# KiCad board sample013-sdi-mipi-video-converter.kicad_pcb (continued)
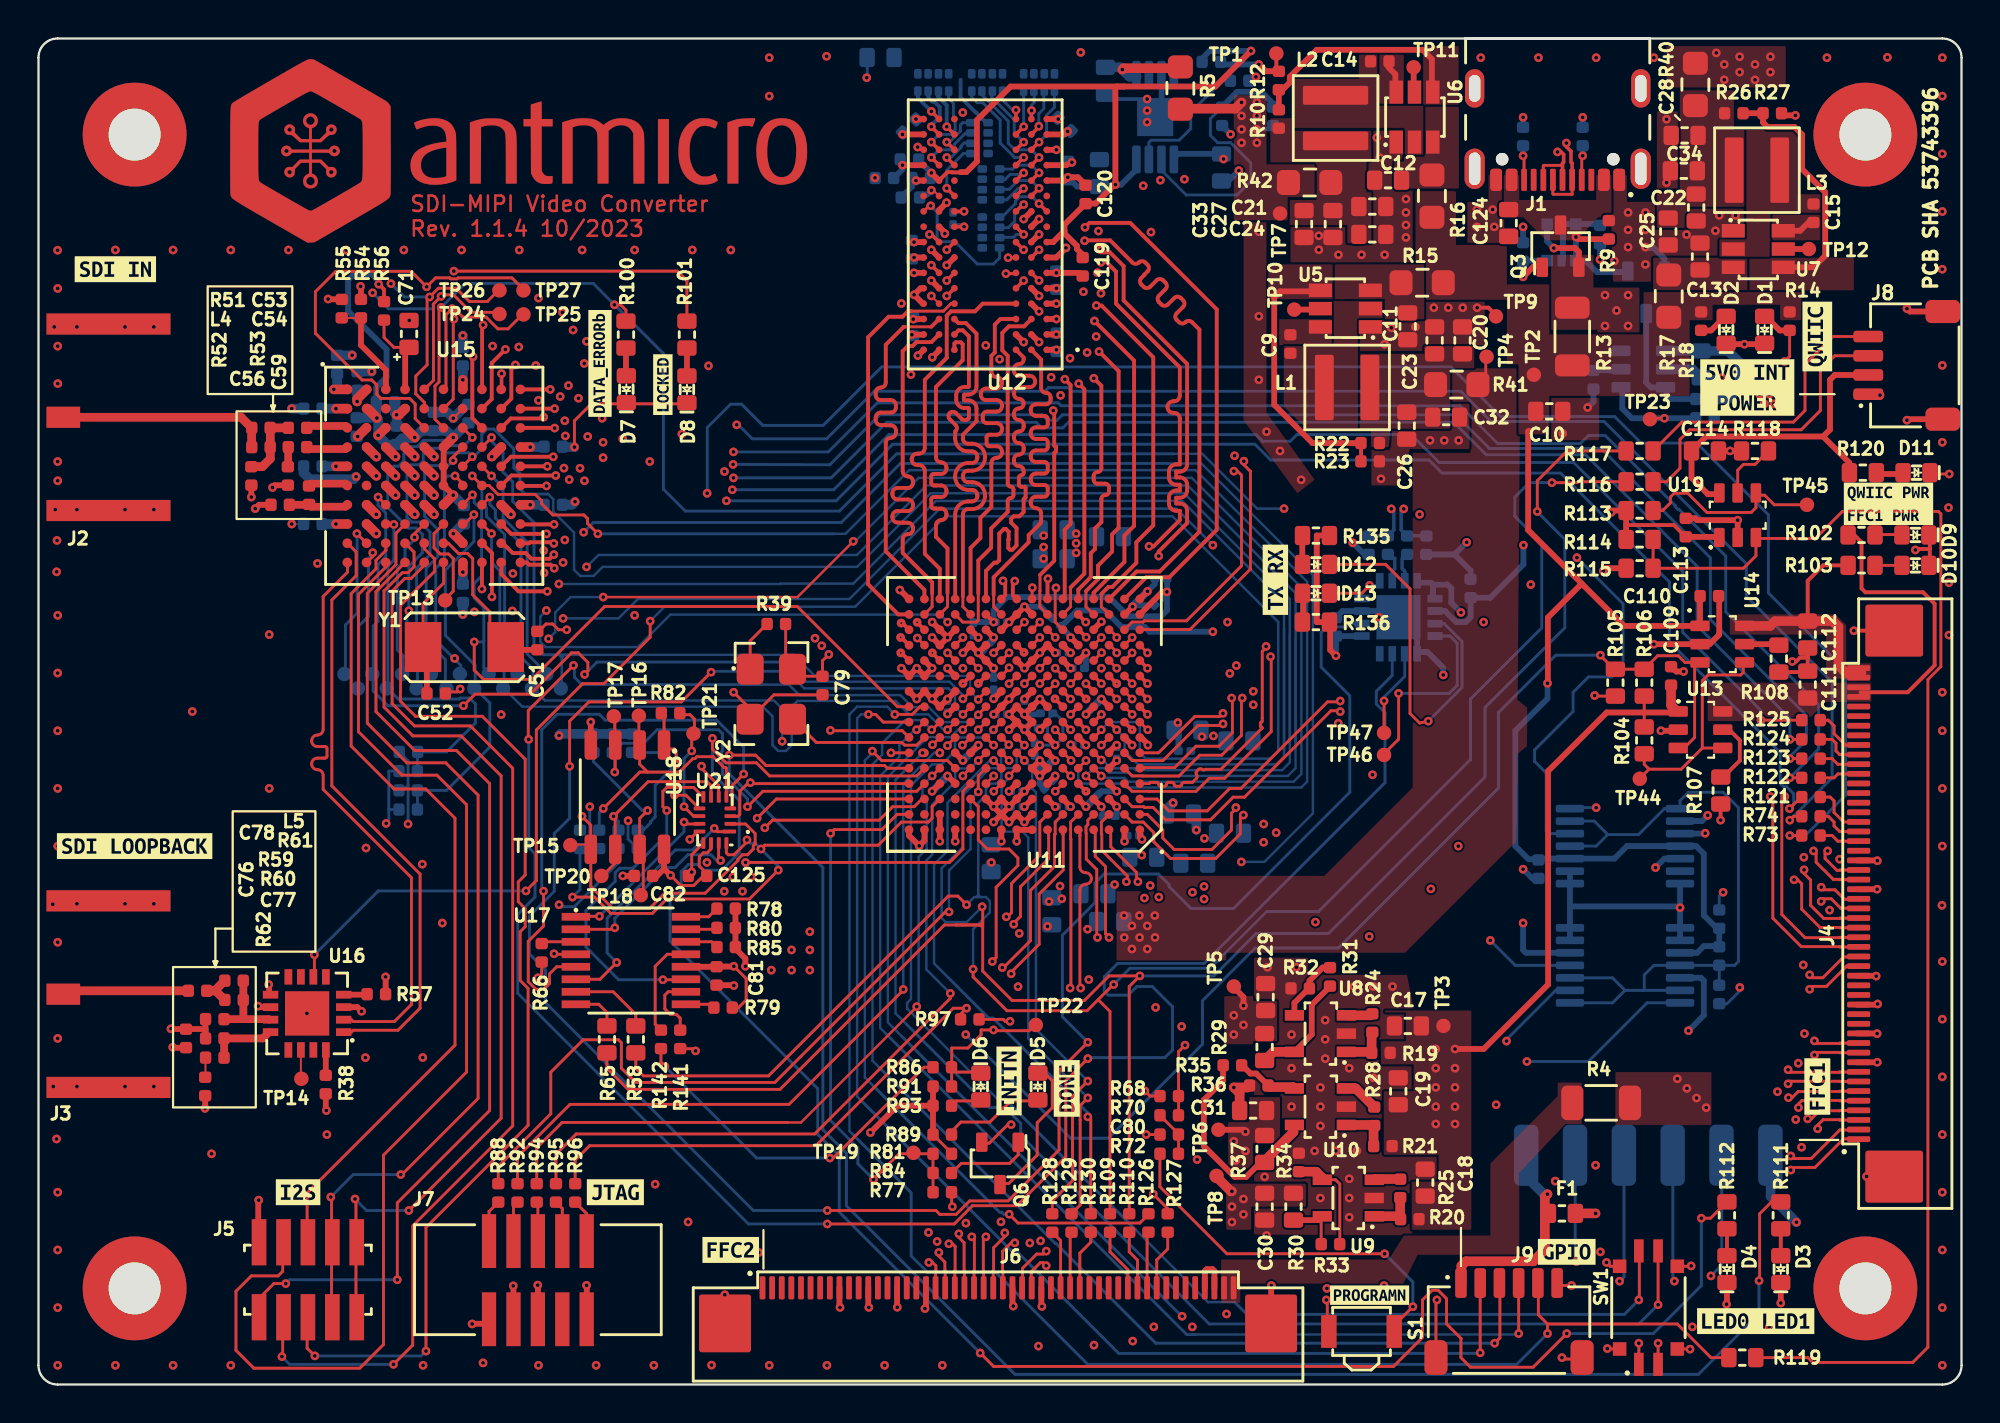
[diagram p0: board, top side]
## Routing (per net, layer and track width the routed paths; a pad name or vN(x,y) marks a point on that pad's centre or on a via; arc(x,y) is an arc through that point)
1V0_Clean: length 20.1
  Top w0.3: v1(62.66,19.7) 62.66,20.15 62.11,20.7
  In2.Cu w0.15: v1(62.66,19.7) 73.5,19.7 75.34,17.86 v1(76.34,17.86)
  Bottom w0.15: v1(76.34,17.86) 76.34,17.94 78.9,20.5 U2.9
  vias: v1(55.96,26) v1(57.51,25.3) v1(57.81,25.95) v1(58.26,25.35) v1(60.01,25.6) v1(60.61,25.9) v1(60.61,25.25) v1(62.16,19.2) v1(62.16,18.2) v1(62.66,18.7)
1V0_Power: length 37
  Top w0.15: 75.26,53.45 75.26,52.45
  Top w0.3: v1(52.07,34.05) U11.H7 ; v1(49.67,34.85) U11.J10 v1(50.47,35.65) U11.K9 ; v1(52.87,31.65) U11.D7 ; U11.D9 v1(50.47,30.85)
  In2.Cu w0.15: v1(77.4,16.8) 77.4,18.4 74.2,21.6 68.6,21.6 66.95,23.25 v1(58.06,23.25)
  Bottom w0.15: v1(77.4,16.8) 80.6,16.8 83.65,19.85 85.36,19.85
  Bottom w0.5: 49.5,26.65 49.5,27.1
  vias: v1(49.55,27.15) v1(56.45,24.39) v1(56.46,23.25) v1(56.86,23.85) v1(56.86,22.65) v1(57.25,24.39) v1(57.26,23.25) v1(57.66,23.85) v1(57.66,22.65) v1(58.05,24.39)
+1V2: length 80.3
  Top w0.1: 54.07,38.47 53.69,38.85 v1(53.67,38.85)
  Top w0.2: 17.97,56.32 17.97,56.94 v1(17.69,57.22)
  Top w0.3: v1(21.57,46.25) 21.07,46.75 21.07,48.75 ; U11.N5 v1(53.67,38.85)
  Top w0.5: 61.21,10.85 62.01,10.05 v1(62.06,10.05) ; v1(17.66,49.36) 18.05,49.75 U15.C3 ; 21.07,48.75 v1(21.57,49.25) ; 17.07,50.75 17.11,50.75 v1(17.6,50.26) ; 19.07,49.75 v1(19.57,49.25) ; 21.07,45.75 v1(21.57,46.25)
  In2.Cu w0.15: v1(81,30) 81,13.6 74.8,7.4 65.8,7.4 64.35,8.85 v1(62.66,8.85)
  In6.Cu w0.3: v1(21.57,46.25) 22.11,46.79 22.11,48.71 v1(21.57,49.25)
  Bottom w0.1: 19.62,49.31 v1(19.57,49.25)
  Bottom w0.15: v1(81,30) 79.69,30
  Bottom w0.3: 17.56,51.09 17.56,51.86 18.1,52.39 18.1,53.83 16.1,55.83 16.1,57.43 16.42,57.75 17.32,57.75 17.69,57.38 v1(17.69,57.22) ; v1(53.67,38.85) 53.67,38.9 53.17,39.4 54.01,40.25 55.47,40.25 56.32,39.4 57.52,39.4 57.77,39.15 v1(61.07,39.15)
  Bottom w0.5: 16.55,50.28 17.58,50.28 v1(17.6,50.26) ; v1(17.6,50.26) 17.66,50.2 v1(17.66,49.36) 18.14,48.88 18.62,48.88 18.62,48.91 18.92,49.21 19.53,49.21 v1(19.57,49.25) 19.91,49.59 21.22,49.59 v1(21.57,49.25) 22.33,50.01 ; v1(17.6,50.26) 17.56,50.3 17.56,51.09 ; 22.09,45.73 v1(21.57,46.25)
  vias: v1(27.13,51.38) v1(27.6,47.06) v1(28.08,51.29) v1(28.16,47.65) v1(28.56,49.3) v1(29.31,50.25) v1(29.36,49) v1(29.36,48.2) v1(34.76,27.15) v1(35.66,25.65) v1(36.11,26.4) v1(36.61,25.65) v1(37.06,26.4) v1(38.11,21.55) v1(39.16,22.6) v1(39.16,21.55) v1(40.11,23.55) v1(40.11,22.6) v1(40.11,21.55) v1(62.06,9.25) v1(62.06,8.45) v1(62.66,9.65)
+1V5: length 77.3
  Top w0.1: v1(53.67,38.05) 53.62,38.05 53.27,38.4
  Top w0.3: U12.D9 45.99,56.21 v1(45.53,56.67) 45.87,57.01 U12.E9 ; v1(53.67,38.05) 53.66,38.05 53.27,38.44 ; v1(51.23,60.61) 51.63,61.01 ; v1(47.22,61.46) 46.83,61.07 46.83,61.01 ; U12.D2 v1(52.03,55.81) ; U12.A1 v1(52.93,53.81) ; U12.N1 53.44,63.41 v1(53.74,63.56) ; U12.N9 v1(44.93,63.41) ; v1(45.53,59.41) U12.H9 ; v1(47.23,58.21) U12.G7 ; v1(46.48,53.42) 46.83,53.77 U12.A8 ; U11.P12 v1(48.87,38.85) ; v1(45.49,55.4) 45.5,55.41 U12.C9 ; U12.B2 v1(52.03,54.21) ; U12.R9 v1(44.93,65.01) ; 54.3,57.65 54.14,57.81 v1(52.93,57.81) U12.F1 ; v1(53.52,65.17) 53.36,65.01 U12.R1 ; U11.P11 v1(49.67,38.85) ; 56.49,40.05 v1(56.89,40.45) ; U12.C1 v1(52.93,55.41) ; U12.H2 v1(52.03,59.81)
  Top w0.5: 59.4,66.35 62.23,66.35 v1(62.56,66.68)
  In2.Cu w0.15: v1(63.36,65.28) 64.12,65.28 67.06,62.34 67.06,47.31 71.37,43 v1(80,43)
  Bottom w0.15: v1(80,43) 82.4,40.6 82.4,37.4 81.8,36.8 80.6,36.8 79.8,36 79.8,35 77.8,33 77.8,32.4 78.4,31.8 78.4,28.8 78.55,28.65 U3.5
  Bottom w0.2: v1(63.36,65.28) 64.01,65.28
  Bottom w0.3: 44.92,63.42 v1(44.93,63.41) ; v1(44.93,63.41) 44.93,63.2 44.47,62.74 ; v1(44.93,63.41) 44.93,63.59 ; 58.04,40.52 56.97,40.52 v1(56.89,40.45) ; 49.55,38.63 49.55,38.73 v1(49.67,38.85)
  vias: v1(62.56,65.98) v1(62.56,65.28) v1(62.56,64.58) v1(63.36,66.68) v1(63.36,65.98) v1(63.36,64.58)
+1V8: length 25.2
  Top w0.3: 61.31,13.25 62.66,13.25 v1(62.76,13.15)
  In2.Cu w0.15: v1(75.5,23.1) 75.5,23.36 67.55,31.3 64.62,31.3 63.17,32.75 v1(63.17,35.35)
  Bottom w0.15: v1(75.5,23.1) 76.79,21.8 U2.11
  vias: v1(61.95,36.98) v1(62.16,12.65) v1(62.29,37.39) v1(62.26,11.65) v1(62.76,12.15) v1(63.17,36.05) v1(63.71,29.15) v1(63.71,28.2) v1(64.36,28.7)
+3V3: length 101.1
  Top w0.15: 26.17,21.97 26.17,21.35 v1(25.97,21.15) ; R105.1 83.5,35 83.45,34.95 83.5,34.9 R104.1 ; v1(57.53,15.27) 57.8,15 58.31,15 ; v1(36.16,21.75) 36.8,21.11 36.8,20 36.4,19.6 36.08,19.6 ; v1(41.1,37.97) 40.77,37.64 40.77,36.84 39.55,36.84 ; v1(32.87,26.48) 33.4,25.95 34.07,25.95 34.72,26.6 34.36,26.96 34.36,27.34 34.37,27.35 34.37,27.45 34.57,27.65 34.77,27.65 34.97,27.85 34.97,28.15 ; 38.86,39.55 38.86,37.53 ; 47.48,12.03 46.52,13
  Top w0.2: 85.66,44.08 85.04,44.7 82.56,44.7
  Top w0.3: 85.66,44.08 87.33,44.08 ; 15.77,56.44 15.08,56.44 v1(15.06,56.45) ; v1(6.89,18.5) 6.91,18.48 8.69,18.48 8.69,18 8.69,19 ; R114.1 R113.1 81.79,45.45 v1(81.78,45.35) ; 12,20.28 12,20.78 v1(11.97,20.8) ; v1(53.67,33.27) 53.67,33.25 U11.F5 ; v1(18.05,21.2) 18.05,21.2 18.05,20.3 ; v1(73.66,17.45) 75.15,17.45 78.5,20.8 78.5,31.9 81.55,34.95 85.17,34.95 ; 46.52,15.5 46.52,14.5 ; 46.52,14.5 44.66,14.5 v1(43.26,13.1) ; 46.52,14.5 46.52,13 ; 14.94,15.12 14.94,14.28 v1(14.97,14.25) ; 31.94,26.45 32.16,26.45 32.53,26.82 ; v1(22.55,3.15) 22.56,3.16 23.43,3.16 ; v1(54.47,34.85) U11.J4 ; v1(36.16,21.75) 36.14,21.73 35.26,21.73 ; v1(47.27,34.87) U11.J13 ; 33.58,21.73 35.25,21.73 ; v1(48.07,32.45) U11.F13 ; 32.53,26.82 32.53,28.08 ; 32.53,26.82 v1(32.87,26.48) ; U11.D13 v1(47.27,31.65)
  Top w0.5: 16.07,50.75 v1(15.47,50.75) ; v1(80.97,8.9) 80.11,8.9 ; 25.07,45.75 v1(25.57,45.75) ; 84.9,36.37 84.9,35.33 85.22,35 ; 25.07,48.75 v1(25.57,48.75) ; 22.07,42.75 v1(22.07,42.25) ; 16.07,44.75 v1(15.47,44.75) ; 16.07,47.75 v1(15.47,47.75) ; 22.07,51.75 v1(22.07,52.25)
  In3.Cu w0.15: v1(54.47,34.85) 54.07,35.25 54.07,35.9 54.22,36.05 54.63,36.05 54.88,36.3 54.88,36.86 v1(55.27,37.25)
  Bottom w0.15: 62.88,67.57 v1(63.31,68) ; 18.75,32.9 19.22,32.43 19.22,31.15 ; 19.22,31.15 18.97,30.9 18.73,30.9 ; 19.22,31.15 v1(19.22,29.15)
  Bottom w0.3: v1(61.62,63.73) 61.62,63.73 61.62,63.89 C108.2 61.51,64 59.25,64 59.06,63.81 ; U2.5 86.45,21.15 86.6,21 86.6,19.2 v1(85.8,18.4)
  Bottom w0.5: 30.86,33.84 27.16,33.84 v1(27.07,33.75) ; 22.07,41.64 v1(22.07,42.25) ; 26.28,48.75 v1(25.57,48.75) ; 14.75,47.75 v1(15.47,47.75) ; 14.75,50.75 v1(15.47,50.75) ; 26.28,45.75 v1(25.57,45.75) ; 22.07,52.97 v1(22.07,52.25) ; 14.75,44.75 v1(15.47,44.75)
  vias: v1(40.38,38.81) v1(40.73,38.42) v1(48.07,37.25) v1(72.66,17.45) v1(72.66,16.45) v1(72.66,15.45) v1(72.66,14.45) v1(72.66,13.55) v1(73.66,16.45) v1(73.66,15.45) v1(73.66,14.45) v1(73.66,13.55) v1(87.25,69.25) v1(87.66,68.65) v1(87.66,67.85) v1(88.46,69.05) v1(88.46,68.25) v1(89.26,68.65) v1(89.26,67.85) v1(90.06,69.05) v1(90.06,68.25)
+5V: length 50.5
  Top w0.3: 80.25,41.65 82.45,39.45 86.35,39.45 ; 80.25,41.65 78.49,39.89 78.49,36.49 v1(78.47,36.47) ; 80.25,41.65 77.47,44.44 77.47,49.57 77.5,49.6 ; 86.4,41 86.4,39.5
  Bottom w0.3: 78.03,27.35 81.95,27.35 82.6,28 U3.11 86.2,28 86.6,27.6 86.6,24.4 87.28,23.72 ; 85.36,22.45 86.25,22.45 86.6,22.8 87.37,22.8 ; 78,27.32 77.48,27.32 76.8,28 76.8,34 78.47,35.67 v1(78.47,36.47) ; 87.4,22.77 87.4,23.72
/FPGA Power/VCC_ADPHY: length 2
  Top w0.3: v1(51.27,30.05) U11.C8 ; v1(56.07,32.45) U11.E3
  Bottom w0.5: v1(60.21,28.84) 60.21,29.51 60.07,29.65
  vias: v1(60.63,28.4)
/FPGA Power/VCC_AUX: length 8.1
  Top w0.1: 51.51,35.89 U11.K8
  Top w0.3: U11.M6 v1(53.67,37.25) ; 51.7,32.85 52.07,33.22 v1(52.07,33.25) ; U11.G7 v1(52.87,33.25) ; 51.51,35.89 v1(51.27,35.65) ; v1(49.67,35.66) 49.68,35.66 U11.K10
  Bottom w0.15: v1(52.87,33.25) 53.27,33.65 53.27,34.5 52.92,34.85 52.74,34.85 52.47,34.58 U11.G7 v1(52.87,33.25) ; v1(52.87,33.25) v1(52.07,33.25)
  Bottom w0.3: 49.67,36.13 v1(49.67,35.66)
  vias: v1(53.96,44.25) v1(53.96,43.75) v1(53.96,43.25)
/FPGA Power/VCC_AUXA: length 0.6
  Top w0.3: v1(52.87,32.45) U11.F7
  vias: v1(60.5,33.69) v1(61.1,33.73)
/FPGA Power/VCC_DPHY: length 1.7
  Top w0.3: U11.C7 v1(52.87,30.05) ; U11.C4 v1(55.27,30.05)
  Bottom w0.2: v1(55.27,30.05) 55.35,29.97 C101.2
  vias: v1(52.55,25.12) v1(53.12,25.92) v1(53.21,25.26)
/FPGA Power/VCC_PLLDPHY: length 1.2
  Top w0.3: v1(56.47,28.25) 56.47,28.25 U11.A2 ; v1(54.47,30.05) U11.C5
/Peripherals/3V3_MISC: length 11.7
  Top w0.5: 74,5.2 74,6.18 74.23,6.41 77.73,6.41 78.33,7.01 78.33,9.76 v1(78.47,9.9)
  Bottom w0.5: v1(78.47,9.9) 78.28,9.9 77.37,10.81 77.37,12.43
/Power Supply/5V_I: length 3.5
  Top w0.3: v1(78.8,59.1) 79.9,59.1 80.1,58.9 80.1,58.15
  Bottom w0.3: 78.45,60.35 78.45,59.45 v1(78.8,59.1)
  vias: v1(81.46,56.65) v1(81.46,55.05) v1(82.06,55.85) v1(82.66,56.65) v1(82.66,55.05)
GND: length 270
  Top w0.1: U11.A9 50.87,28.14 ; 52.51,38.45 52.87,38.09 v1(52.87,38.05) ; v1(44.87,37.25) 44.87,37.18 45.2,36.85 ; 47.67,36.03 47.29,35.65 v1(47.27,35.65) 47.27,35.63 46.89,35.25 ; 22.07,50.75 v1(21.57,50.25) ; v1(47.13,59.85) 46.83,60.15 ; 57.38,28.74 v1(57.38,28.35) ; U12.P9 45.86,64.21 v1(45.72,64.35) ; v1(46.87,28.25) U11.A14 U11.B14 ; U11.P13 v1(47.27,38.85) U11.N14 ; U12.D8 v1(46.43,56.61)
  Top w0.15: 33.72,51 28.75,51 27.87,50.12 v1(27.87,48.75) ; R106.2 80.95,35.8 v1(80.92,35.83) ; 34.57,28.15 33.97,27.55 v1(33.97,26.65) ; SW1.SH 85.87,1.85 v1(85.88,1.84) ; v1(21.93,36.17) 21.78,36.02 21.16,36.02 ; 72.67,1.35 72.67,4.35 v1(72.72,4.4) ; 67.02,2.5 67.02,4.35 v1(66.97,4.4) ; v1(85.94,6.17) 85.92,6.15 SW1.SH ; 35.37,30.55 35.37,31.15 34.47,32.05 34.47,32.15 34.48,32.15 v1(34.48,32.16) ; v1(26.81,22.4) 26.84,22.38 27.94,22.38 ; 49.05,12.55 49.44,12.55 50.4,13.51 50.57,13.51 v1(50.58,13.52) ; SW1.SH 81.74,6.15 v1(81.54,6.35) ; 37.01,34.63 38.25,35.87 40.77,35.87 ; 84.22,1.15 v1(84.22,2.15) ; v1(27.47,39.25) 27.04,39.25 26.74,39.55 26.39,39.55 26.02,39.18 ; 80.29,1.33 79.29,1.33 v1(79.22,1.4) ; 48.91,18.99 50.17,18.99 50.27,18.89 v1(50.52,18.89) ; 37.01,35.14 v1(36.15,36) ; 98.41,47.35 v1(99.36,47.35) ; v1(81.58,1.87) 81.6,1.85 SW1.SH ; SW1.1 v1(83.22,2.15) ; 58.31,13 v1(57.6,13) ; 79.04,5.15 v1(79.72,5.15)
  Top w0.2: 92,37.8 91.6,37.8 91.4,37.6 v1(91.2,37.6) ; 92,37.8 C112.1 ; 92,37.8 C111.1 ; v1(94.4,39.2) 94.41,39.21 96.42,39.21 ; v1(87.47,29.35) 87.47,30.18 R107.1 ; 98.35,43.45 98.35,44.2 ; 98.35,43.45 98.35,42.6 ; 98.35,43.45 97.65,43.45 v1(97.6,43.4) ; R108.1 91.95,37.05 ; 64.5,68.3 64.37,68.43 TP1.1 ; 75.8,55.6 75.4,56 v1(74.81,56)
  Top w0.3: 54.45,62.39 54.06,62.78 v1(53.53,62.78) 53.36,62.61 52.43,62.61 ; v1(57.67,41.25) U11.T1 ; 15.94,19.62 16.58,19.62 v1(16.8,19.41) ; v1(49.67,30.05) U11.B10 ; v1(49.67,30.05) U11.C10 v1(50.47,30.05) ; v1(49.67,30.05) U11.C11 ; U11.B10 v1(50.47,29.25) U11.B9 v1(51.27,29.25) U11.B8 ; U11.B10 v1(49.67,29.25) ; U11.B10 v1(50.47,30.05) ; v1(95.06,10.82) 95.07,10.81 96.67,10.81 ; 46.15,5.03 46.15,4 v1(46.1,3.95) ; v1(87.78,4.18) 87.8,4.2 87.8,5.25 ; v1(55.27,35.65) U11.J3 ; 88.36,44 v1(88.36,44.95) 86.25,44.95 86.15,45.05 85.66,45.05 ; v1(91.36,66) 90.75,66 90.65,66.11 ; R118.1 C114.1 ; U11.R8 v1(51.27,40.45) U11.R9 v1(50.47,39.65) U11.P10 ; v1(8.66,14.36) 8.67,14.37 8.67,15.02 ; v1(50.87,28.25) U11.A9 U11.A8 ; v1(45.42,54.6) 46.02,54.6 ; v1(95.61,18.25) 95.6,18.26 94.57,18.26 ; 94.57,16.76 95.62,16.76 v1(95.62,16.76) ; v1(35.69,4.67) 35.7,4.66 35.7,2.93 ; 94.57,25.76 95.6,25.76 v1(95.61,25.76) ; v1(54.47,38.05) 54.47,38.03 54.09,37.65 ; U12.E1 v1(52.93,57.01) ; v1(46.47,38.85) U11.N14 U11.P13 ; 46.03,62.61 v1(45.63,62.61) ; v1(46.47,30.85) U11.D14 ; 44.65,5.03 44.65,4.03 v1(44.66,4.02) ; v1(84,38.5) 86.9,38.5 87.4,39 87.4,40.97 ; 98.38,55.8 97.31,55.8 v1(97.16,55.95) ; v1(16.75,57.11) 16.77,57.09 16.77,56.44 ; U11.D3 v1(56.07,30.85) ; v1(47.13,59.85) 47.13,59.91 U12.J8 ; 41.65,5.03 41.65,4.04 v1(41.68,4.01) ; v1(48.87,38.05) U11.N11 ; v1(48.87,38.05) U11.N12 v1(48.07,38.05) ; v1(48.87,38.05) U11.M11 v1(49.67,37.25) ; v1(64.11,5.15) 64.1,5.14 64.1,3.18 ; v1(46.47,35.65) U11.K14 ; v1(46.47,35.65) U11.K15 v1(45.67,35.65) U11.K16 ; v1(46.47,35.65) U11.J14 U11.K13 ; 94.5,51.5 95.71,51.5 v1(95.76,51.45) ; v1(28.72,34.45) 28.72,33.01 ; U11.T16 44.8,41.32 v1(44.79,41.32) ; v1(47.27,38.85) U11.P14 v1(46.47,39.65) ; v1(6.98,17.54) 7,17.52 7.67,17.52 ; 12.97,46.77 12.28,46.77 v1(12.17,46.65) ; 52.47,38.44 52.86,38.05 v1(52.87,38.05) ; v1(36.76,21.75) 36.76,22.15 36.25,22.67 ; v1(97.16,50.15) 97.21,50.2 98.38,50.2 ; 64.5,68.3 63.81,68.3 v1(63.46,68.65) ; v1(57.69,33.25) 57.69,33.3 57.34,33.65 ; v1(50.47,30.05) U11.C9 v1(51.27,30.85) U11.D8 ; U11.M9 v1(51.27,37.25) U11.M8 v1(52.07,38.05) U11.N7 ; v1(25.96,5.17) 25.97,5.16 25.97,3.16 ; v1(46.43,57.41) U12.E8 ; R115.2 81.52,42.45 v1(81.37,42.3) ; 24.7,3.16 24.7,5.12 v1(24.69,5.13) ; 30.97,26.45 v1(30.39,26.45) ; 90.6,5.25 v1(90.6,4.24) ; v1(53.03,65.81) U12.T1 ; 43.15,5.03 43.15,4.04 v1(43.18,4.01) ; U11.H9 v1(50.47,34.85) U11.J9 v1(51.27,34.85) ; U11.H9 v1(51.27,34.05) ; U11.H9 v1(50.47,34.05) ; v1(95.56,21.24) 95.54,21.26 94.57,21.26 ; v1(51.27,34.85) U11.J8 v1(52.07,35.65) U11.J7 ; v1(51.27,34.85) U11.H8 v1(51.27,34.05) ; 94.57,19.76 95.6,19.76 v1(95.64,19.79) ; U11.C6 v1(53.67,30.05) ; v1(52.18,4.06) 52.15,4.09 52.15,5.03 ; U11.G5 v1(54.47,33.25) ; U11.G2 v1(56.87,33.25) ; U11.A15 46.07,28.28 v1(45.8,28.01) 45.27,28.54 U11.A16 ; 55.67,32.89 56.03,33.25 v1(56.07,33.25) ; v1(51.27,34.05) U11.G8 ; v1(53.43,59.11) 52.93,58.61 U12.G1 ; v1(11.42,19.68) 11.47,19.62 12,19.62 ; v1(57.38,28.35) 57.27,28.46 U11.A1 ; U11.B14 v1(46.87,28.25) ; v1(45.73,53.51) U12.A9 ; v1(36.16,20.75) 36.14,20.77 35.26,20.77 ; 36.25,24.75 36.25,22.75 ; U12.E2 v1(52.03,56.61) ; U11.M15 v1(46.47,37.25) U11.L15 v1(45.67,37.25) U11.L16 v1(44.87,37.25) ; 28.51,3.16 28.51,5.15 v1(28.5,5.16) ; v1(56.07,30.05) U11.C3 ; 12.08,45.75 11.47,45.75 v1(11.27,45.55) ; U12.B3 v1(51.23,54.21) ; v1(46.43,59.01) U12.G8 ; 87.76,54.1 89.76,54.1 ; U11.F12 v1(48.87,33.25) ; U11.A13 v1(47.67,28.25) ; 94.57,27.26 95.6,27.26 v1(95.62,27.24) ; v1(50.07,28.25) U11.A10 ; U11.L13 v1(47.27,37.25) ; 11.43,7.48 11.43,9.57 v1(11.45,9.59) ; 11.07,46.77 v1(11.07,46.15) ; v1(50.69,4.08) 50.65,4.12 50.65,5.03 ; v1(45.53,57.81) U12.F9 ; v1(84.37,34) 85.17,34 ; v1(45.53,58.61) U12.G9 ; U12.D1 v1(52.93,56.21) ; U12.P1 v1(52.93,64.21) ; v1(85.55,37.08) 85.16,37.08 84.91,37.34 ; U12.B1 v1(52.93,54.61) ; U12.J2 v1(52.03,60.61) ; 54.87,39.27 55.27,39.67 ; v1(45.63,65.81) U12.T9 ; U11.E7 v1(52.07,32.45) U11.E8 v1(52.07,31.65) U11.E7
  Top w0.5: 19.07,47.75 v1(19.57,47.25) ; 17.07,47.75 v1(17.57,47.25) ; 17.07,45.75 v1(17.57,45.25) ; 24.07,45.75 v1(24.57,45.25) ; 17.07,48.75 v1(17.57,48.25) ; 22.07,43.75 v1(21.57,44.25) ; 19.07,45.75 v1(19.57,45.25) ; 19.07,48.75 v1(19.57,48.25) ; 20.07,45.75 v1(20.57,45.25) ; 20.07,48.75 v1(20.57,48.25) ; 17.07,44.75 v1(17.57,44.25) ; v1(18.62,50.43) 18.75,50.43 19.07,50.75 ; 18.07,47.75 v1(18.57,47.25) ; 18.07,48.75 v1(18.57,48.25) ; 20.07,46.75 v1(20.57,46.25) ; 17.05,49.75 v1(16.6,49.3) ; 24.07,48.75 v1(23.57,48.25) ; 18.07,46.75 v1(18.57,46.25) ; C31.1 62.46,15.15 v1(62.16,15.45) 62.88,15.45 62.97,15.55 ; v1(20.57,47.25) 20.07,47.75 ; 19.07,46.75 v1(19.57,46.25)
  Bottom w0.1: 13.78,44.75 v1(13.17,44.75)
  Bottom w0.15: 18.22,29.9 18.22,29.4 v1(18.08,29.18) ; 18.22,29.9 18.73,29.9 ; 18.22,29.9 18.22,31.9 18.73,31.9 ; 87.4,24.69 87.4,25.4 v1(87.6,25.6) ; 87.4,19.8 87.8,19.8 88.6,20.6 ; v1(43.07,67.96) 43.1,67.99 43.1,69
  Bottom w0.2: v1(57.65,66.85) 55.73,66.85 C5.1
  Bottom w0.3: 59.06,34.01 59.28,33.79 59.28,32.95 ; 77.2,59.39 v1(77.2,60.2) ; 52.71,39.86 52.12,40.45 v1(51.27,40.45) ; C4.1 87.53,52.35 v1(87.54,52.36) ; v1(57.37,27.53) 56.86,27.53 ; 78,26.32 77.69,26.32 v1(77.2,26.8) ; 51.85,32.67 v1(52.07,32.45) v1(52.07,31.65) 52.07,31.22 52.31,30.97 ; 80.86,51.77 80.86,51.11 v1(80.56,50.81) ; 58.05,41.85 58.05,41.63 v1(57.67,41.25) ; U3.10 86.65,28.65 v1(86.67,28.67) ; 54.39,37.25 54.47,37.33 v1(54.47,38.05) ; v1(62.42,63.13) 61.89,62.6 61.53,62.6 C108.1 ; 49.09,38.17 48.99,38.17 v1(48.87,38.05) ; v1(84.09,26.89) 84.55,27.35 85.36,27.35 ; v1(56.07,30.85) 55.27,30.85 55.1,30.68 ; 49.67,36.77 v1(49.67,37.25) ; 73.63,43.17 v1(74.27,43.8) ; 73.63,43.17 74.47,42.33 74.47,41.89 ; 73.63,43.17 72.47,43.17 ; v1(57.38,28.35) 57.38,28.41 57.25,28.54 ; 77.2,65.39 v1(77.2,65.9) ; 67.47,39.89 67.81,40.23 70.4,40.23 ; 84.55,57.85 84.55,58.55 84,59.1 83.61,59.1 v1(83.56,59.15) ; 52.1,34.85 51.35,34.85 51.27,34.93 ; 80.3,65.39 v1(80.3,65.9) ; 79.64,22.45 77.35,22.45 77.2,22.6 v1(77.2,24) ; 61.55,65.46 v1(61.99,65.02) ; U20.17 71.69,38.93 71.69,38.1 72.22,38.1 73.05,37.27 v1(73.05,36.9) ; v1(56.07,30.05) 56.07,29.73 55.99,29.65 ; 81.2,59.32 v1(81.2,58.5) ; 58.41,68.01 58.41,66.24 ; 55.2,62.3 54.01,62.3 v1(53.53,62.78) ; 45.41,62.75 45.41,62.29 44.86,61.73 ; 68.95,43.17 v1(68.34,43.77) ; 61.6,68.65 v1(63.46,68.65)
  Bottom w0.5: v1(91.41,8.44) 90.07,9.79 90.07,12.43 ; v1(59,30.25) 58.67,29.92 58.67,29.65 ; v1(45.63,62.61) 45.49,62.75 45.41,62.75 ; v1(22.07,40.05) 22.07,40.67 ; 18.53,51.09 18.53,50.52 v1(18.62,50.43) 18.62,49.84 ; 84.66,52.8 86.01,52.8 C4.1 ; 15.53,53.53 16.3,53.53 v1(16.31,53.53) ; v1(17.33,52.68) 17.33,52.68 16.59,52.68 ; 22.3,50.98 v1(21.57,50.25) 21.25,50.57 20.55,50.57 ; 22.07,53.94 v1(22.07,54.55) ; v1(27.9,45.91) 27.74,45.75 27.25,45.75 ; v1(27.87,48.75) 27.25,48.75 ; v1(16.51,47.21) 16.38,47.08 14.11,47.08 13.78,47.41 13.78,47.75 ; 22.08,44.76 v1(21.57,44.25) ; v1(13.17,50.75) 13.78,50.75
  vias: v1(0.82,55) v1(0.75,24.98) v1(0.77,15.5) v1(0.87,45.5) v1(0.99,58.99) v1(1,57) v1(1,54) v1(1.01,52.05) v1(1,48) v1(1,47) v1(0.97,43.9) v1(0.95,42.26) v1(1,40) v1(1,37) v1(1,34) v1(1,31) v1(1,28) v1(1,23) v1(1,18) v1(0.94,12.77) v1(1,10) v1(1,7) v1(1,4) v1(1,1) v1(2,55) v1(2,45.5) v1(2,25) v1(2,15.5) v1(4,59) v1(4,1) v1(4.5,55) v1(4.5,45.5) v1(4.5,25) v1(4.5,15.5) v1(6,55) v1(6,45.5) v1(6,25) v1(6,15.5) v1(7,59) v1(7,1) v1(8,35) v1(9,12) v1(10,59) v1(10,1) v1(12,39) v1(12,31) v1(13,59) v1(13.96,19.3) v1(14.51,42.7) v1(15,13) v1(16,59) v1(17,17) v1(17.03,27.9) v1(19,59) v1(19.28,55.34) v1(19.96,27.06) v1(19.98,17.01) v1(20,1) v1(21,24) v1(22,59) v1(22.67,40.18) v1(23.12,1.13) v1(23.62,54) v1(24.06,34.84) v1(24.67,42.18) v1(24.64,40.23) v1(25,59) v1(24.97,53.96) v1(25.86,52.99) v1(26,56.5) v1(26,51.18) v1(26,1) v1(26.27,43.37) v1(26.29,42.21) v1(27.25,55.75) v1(27.28,42.75) v1(27.37,50.12) v1(27.4,49.33) v1(27.33,47.66) v1(27.37,43.92) v1(27.56,51.95) v1(27.8,54.84) v1(28.27,59) v1(28.38,53.1) v1(28.39,47) v1(28.5,54.25) v1(29,1) v1(30.38,49.18) v1(31,59) v1(31,40) v1(31.79,48) v1(32,1) v1(32.07,10.42) v1(33.46,49.43) v1(33.78,8.45) v1(34,59) v1(34.84,52.97) v1(35,1.01) v1(35.67,47.48) v1(36,59) v1(37.46,6.87) v1(38,69) v1(38,67) v1(38,1) v1(40.98,69.07) v1(41,1) v1(43.5,62.75) v1(44,1) v1(44.87,56.22) v1(45.37,52.52) v1(46.28,7.91) v1(46.73,7.44) v1(47,1) v1(48.06,66.15) v1(48.23,8.39) v1(49.26,54.04) v1(49.98,53.32) v1(50.05,8.46) v1(51,23.46) v1(50.94,20.69) v1(51.55,7.36) v1(52,2) v1(52.11,7.47) v1(52.27,44.15) v1(52.27,43.55) v1(52.27,42.95) v1(52.47,23.83) v1(52.66,52.38) v1(53.15,51.44) v1(53.64,53.37) v1(54.34,56.83) v1(54.53,53.67) v1(54.55,23.68) v1(54.62,21.06) v1(54.89,2.05) v1(55,54.5) v1(55.07,57.82) v1(55.12,59.99) v1(55.25,56.75) v1(55.27,39.67) v1(56.9,2.26) v1(57.45,62.34) v1(57.65,66.25) v1(57.65,65.65) v1(57.85,59.93) v1(58,3) v1(58.09,19.61) v1(58.34,62.63) v1(59.25,34.42) v1(59.45,18.62) v1(59.59,62.68) v1(60,3) v1(60.25,11.7) v1(61.78,3.67) v1(61.83,39.65) v1(62.2,48.3) v1(63.46,59.95) v1(63.46,55.55) v1(63.46,52.25) v1(63.76,10.8) v1(63.86,49.55) v1(63.91,21.7) v1(63.86,7.75) v1(64.56,48.55) v1(65.16,18.2) v1(65.16,16.45) v1(65.16,14.45) v1(65.41,21.7) v1(65.66,47.05) v1(66.4,24.05) v1(66.36,12.15) v1(66.58,59.74) v1(66.58,59.01) v1(66.66,15.45) v1(66.66,14.45) v1(66.66,13.45) v1(66.66,9.7) v1(66.91,18.95) v1(66.91,17.95) v1(66.91,16.95) v1(67,5) v1(67.46,12.15) v1(67.6,58.75) v1(67.59,34.39) v1(68.16,16.45) v1(68.16,10.7) v1(68.16,9.7) v1(68.16,8.7) v1(68.41,20.7) v1(68.56,12.15) v1(68.8,58.75) v1(69.2,23.3) v1(69.37,31.71) v1(69.41,20.7) v1(69.41,15.95) v1(69.6,64.84) v1(69.7,39.9) v1(69.75,63.8) v1(69.81,47.1) v1(70,58.75) v1(70,54.1) v1(69.97,5.15) v1(70.35,54.95) v1(70.41,20.7) v1(71.11,61.65) v1(71.11,60.95) v1(71.11,60.3) v1(71.11,59.65) v1(71.6,55) v1(71.82,45.25) v1(72.36,49.1) v1(72.41,25.78) v1(72.56,56) v1(73.1,49.1) v1(73.31,56) v1(73.85,49.1) v1(73.83,28) v1(74.06,56) v1(74.8,61.1) v1(74.8,60.2) v1(75,69) v1(75.15,39.65) v1(75.62,61.1) v1(75.7,60.2) v1(75.8,14.55) v1(77.6,41.6) v1(78,69) v1(78.87,10.58) v1(79.26,49.46) v1(81,69) v1(80.97,11.4) v1(81.22,6.9) v1(81.95,58.43) v1(82.66,60.95) v1(82.66,60.05) v1(82.66,59.15) v1(83.56,60.95) v1(83.56,60.05) v1(83.56,58.25) v1(84,69) v1(84.66,65.8) v1(84.66,62.5) v1(85.7,59.8) v1(86,3) v1(87.2,60) v1(87.4,60.8) v1(87.96,48.55) v1(88.25,60.8) v1(88.47,20.65) v1(88.71,54.1) v1(90,3) v1(90.43,15.23) v1(91.38,13.78) v1(91.51,16.71) v1(91.68,12.34) v1(91.8,27.42) v1(91.77,21.82) v1(91.83,18.25) v1(93,69) v1(93.14,24.67) v1(93.66,27.32) v1(96.14,69.02) v1(99,69) v1(99,67) v1(99,64) v1(99,61) v1(99,58) v1(99,53) v1(99,49) v1(99,36) v1(99,34) v1(99,31) v1(99,28) v1(98.98,24.92) v1(99,22) v1(99,19) v1(99,16) v1(99,13) v1(99,10) v1(99,7) v1(99,4) v1(99,1) v1(99.32,45.6) v1(99.34,41.7) v1(99.34,38.98)
40MHz_3V3: length 7.6
  Top w0.15: U11.G15 45.67,33.25 45.04,33.25 44.9,33.39 40.45,33.39 39.21,34.63
/DDR3/DDR3_A0: length 55.2
  Top w0.15: U11.P7 v1(52.87,38.85)
  Top w0.182: U12.N3 v1(51.23,63.81)
  In2.Cu w0.162: v1(51.23,63.81) 50.83,64.21 50.83,65.58 51.06,65.81 51.83,65.81 52.23,66.21 53.2,66.21 54.26,65.15 61.08,65.15 65.16,61.07 65.16,51.95 arc(65.22,51.81) 65.36,51.75 65.62,51.75 arc(65.76,51.69) 65.82,51.55 arc(65.76,51.41) 65.62,51.35 64.7,51.35 arc(64.56,51.29) 64.5,51.15 arc(64.56,51.01) 64.7,50.95 64.96,50.95 arc(65.1,50.89) 65.16,50.75 65.16,49.93 62.33,47.1 60.67,47.1 56.65,43.08 56.65,42.63 v1(52.87,38.85)
  Bottom w0.15: v1(51.23,63.81) 50.76,63.81 50.01,64.56 50.01,65.75 49.1,66.66 48.81,66.66 48.53,66.94 R49.4
/DDR3/DDR3_A1: length 50.5
  Top w0.182: v1(47.23,64.61) U12.P7
  Top w0.2: U11.N16 44.87,38.85 v2(44.83,38.85)
  In2.Cu w0.15: 45.85,63.85 46.21,64.21 46.83,64.21 v1(47.23,64.61)
  In2.Cu w0.162: 45.85,63.85 42.34,63.85 39.68,61.19 39.68,52.13 arc(39.74,51.99) 39.88,51.93 40.02,51.93 arc(40.16,51.87) 40.22,51.73 arc(40.16,51.59) 40.02,51.53 39.48,51.53 arc(39.34,51.47) 39.29,51.33 39.29,51.33 arc(39.34,51.19) 39.48,51.13 40.02,51.13 arc(40.16,51.07) 40.22,50.93 arc(40.16,50.79) 40.02,50.73 39.48,50.73 arc(39.34,50.67) 39.29,50.53 39.29,50.53 arc(39.34,50.39) 39.48,50.33 40.02,50.33 arc(40.16,50.27) 40.22,50.13 arc(40.16,49.99) 40.02,49.93 39.48,49.93 arc(39.34,49.87) 39.29,49.73 39.29,49.73 arc(39.34,49.59) 39.48,49.53 40.02,49.53 arc(40.16,49.47) 40.22,49.33 arc(40.16,49.19) 40.02,49.13 39.48,49.13 arc(39.34,49.07) 39.29,48.93 39.29,48.93 arc(39.34,48.79) 39.48,48.73 40.02,48.73 arc(40.16,48.67) 40.22,48.53 arc(40.16,48.39) 40.02,48.33 39.48,48.33 arc(39.34,48.27) 39.29,48.13 39.29,48.13 arc(39.34,47.99) 39.48,47.93 40.02,47.93 arc(40.16,47.87) 40.22,47.73 arc(40.16,47.59) 40.02,47.53 39.48,47.53 arc(39.34,47.47) 39.29,47.33 39.29,47.33 arc(39.34,47.19) 39.48,47.13 40.02,47.13 arc(40.16,47.07) 40.22,46.93 arc(40.16,46.79) 40.02,46.73 39.48,46.73 arc(39.34,46.67) 39.29,46.53 39.29,46.53 arc(39.34,46.39) 39.48,46.33 40.02,46.33 arc(40.16,46.27) 40.22,46.13 arc(40.16,45.99) 40.02,45.93 39.48,45.93 arc(39.34,45.87) 39.29,45.73 39.29,45.73 arc(39.34,45.59) 39.48,45.53 40.02,45.53 arc(40.16,45.47) 40.22,45.33 arc(40.16,45.19) 40.02,45.13 39.68,45.13 39.68,45.13 39.48,45.13 arc(39.34,45.07) 39.29,44.93 39.29,44.92 arc(39.34,44.78) 39.48,44.73 arc(39.62,44.67) 39.68,44.53 39.68,43.39 44.29,38.78 44.76,38.78 v2(44.83,38.85)
  Bottom w0.15: R46.4 48.06,65.62 47.94,65.5 47.94,65.17 47.38,64.61 v1(47.23,64.61)
/DDR3/DDR3_A2: length 52.8
  Top w0.182: U12.P3 v1(51.23,64.61)
  Top w0.2: U11.L11 48.88,36.46 v2(48.87,36.46)
  In4.Cu w0.15: 50.98,50.18 47.77,46.97 47.77,39.43 47.67,39.33 47.67,37.89 47.91,37.66 48.22,37.66 48.47,37.41 48.47,36.85
  In4.Cu w0.162: v2(48.87,36.46) 48.86,36.46 48.47,36.85 ; v1(51.23,64.61) 51.62,64.22 51.62,63.64 51.84,63.42 52.84,63.42 53.37,63.95 53.94,63.95 55.02,62.87 56.36,62.87 57,62.23 57.03,62.2 57.08,62.11 57.09,62.02 57.09,54.63 arc(57.15,54.49) 57.29,54.43 57.88,54.43 arc(58.02,54.37) 58.08,54.23 arc(58.02,54.09) 57.88,54.03 56.3,54.03 arc(56.16,53.97) 56.1,53.83 arc(56.16,53.69) 56.3,53.63 57.88,53.63 arc(58.02,53.57) 58.08,53.43 arc(58.02,53.29) 57.88,53.23 56.3,53.23 arc(56.16,53.17) 56.1,53.03 arc(56.16,52.89) 56.3,52.83 56.89,52.83 arc(57.03,52.77) 57.09,52.63 57.09,50.5 56.77,50.18 50.98,50.18
  Bottom w0.15: 49.58,67.26 49.58,66.92 49.59,66.92 50.74,65.77 50.74,65.1 v1(51.23,64.61)
/DDR3/DDR3_A3: length 56.2
  Top w0.15: U11.P8 v1(52.07,39.65)
  Top w0.182: U12.N2 v1(52.03,63.81)
  In2.Cu w0.162: v1(52.03,63.81) 52.03,63.85 52.83,64.65 60.01,64.65 63.97,60.69 63.97,55.49 arc(64.03,55.35) 64.17,55.29 64.62,55.29 arc(64.76,55.23) 64.82,55.09 arc(64.76,54.95) 64.62,54.89 63.52,54.89 arc(63.38,54.83) 63.32,54.69 arc(63.38,54.55) 63.52,54.49 64.62,54.49 arc(64.76,54.43) 64.82,54.29 arc(64.76,54.15) 64.62,54.09 63.52,54.09 arc(63.38,54.03) 63.32,53.89 arc(63.38,53.75) 63.52,53.69 64.62,53.69 arc(64.76,53.63) 64.82,53.49 arc(64.76,53.35) 64.62,53.29 63.52,53.29 arc(63.38,53.23) 63.32,53.09 arc(63.38,52.95) 63.52,52.89 64.62,52.89 arc(64.76,52.83) 64.82,52.69 arc(64.76,52.55) 64.62,52.49 64.17,52.49 arc(64.03,52.43) 63.97,52.29 63.97,51.53 56.04,43.59 56.04,42.42 53.57,39.95 52.37,39.95 v1(52.07,39.65)
  Bottom w0.15: v1(52.03,63.81) 51.63,64.21 50.77,64.21 50.43,64.55 50.43,65.7 49.08,67.05 49.08,67.26
